# Altium PCB 2022_July.PcbDoc (part 1 of 2)
Units mil, origin at the board's own origin, x right, y up, seen from the top; angles counter-clockwise.
Board outline 3945 x 3530 mil, 3 copper layers (Top Layer, Mid-Layer 1, Bottom Layer); 114 components, 0 nets, 397 pads, 105 vias.
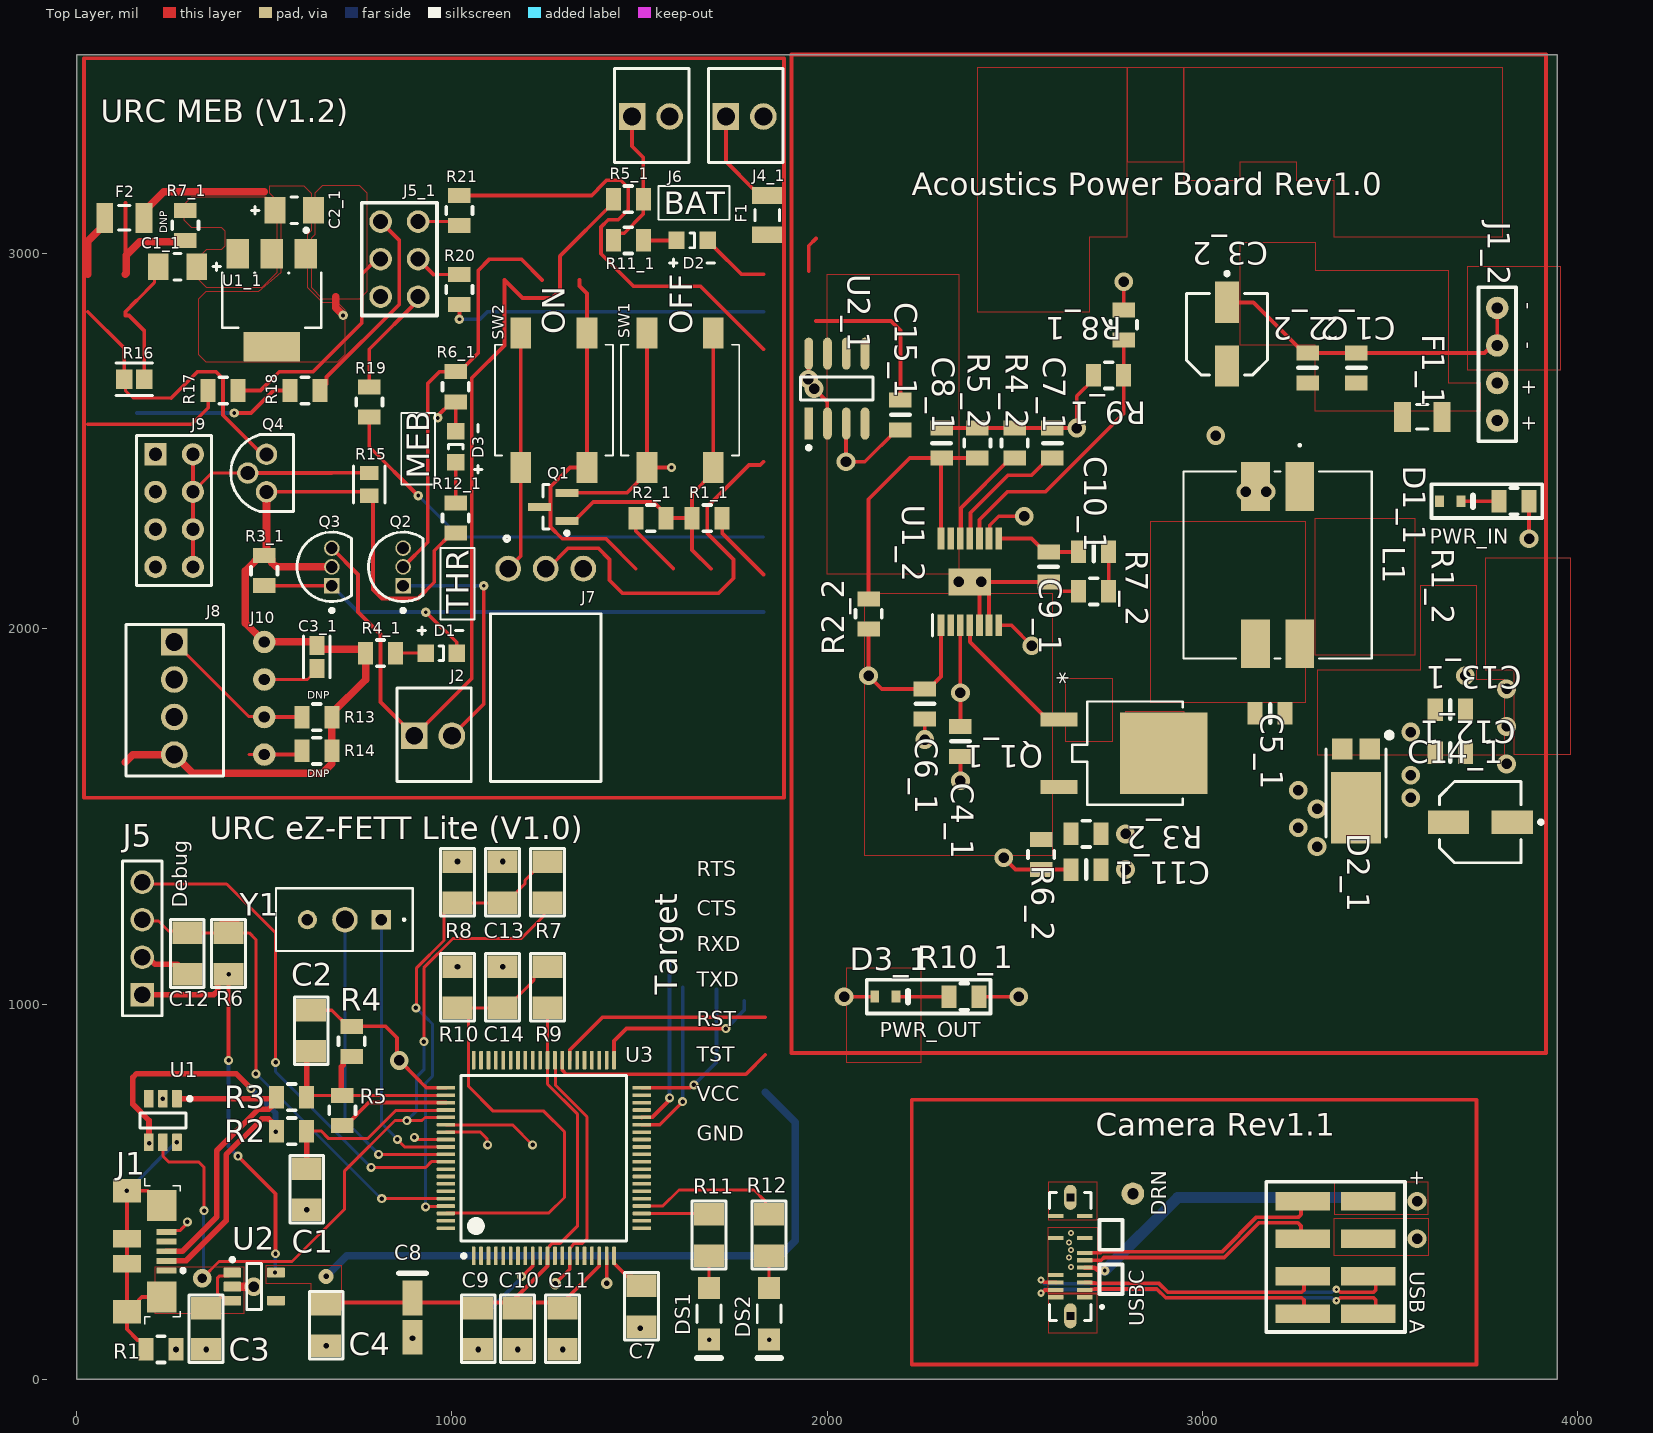
[diagram p0: Top Layer view]
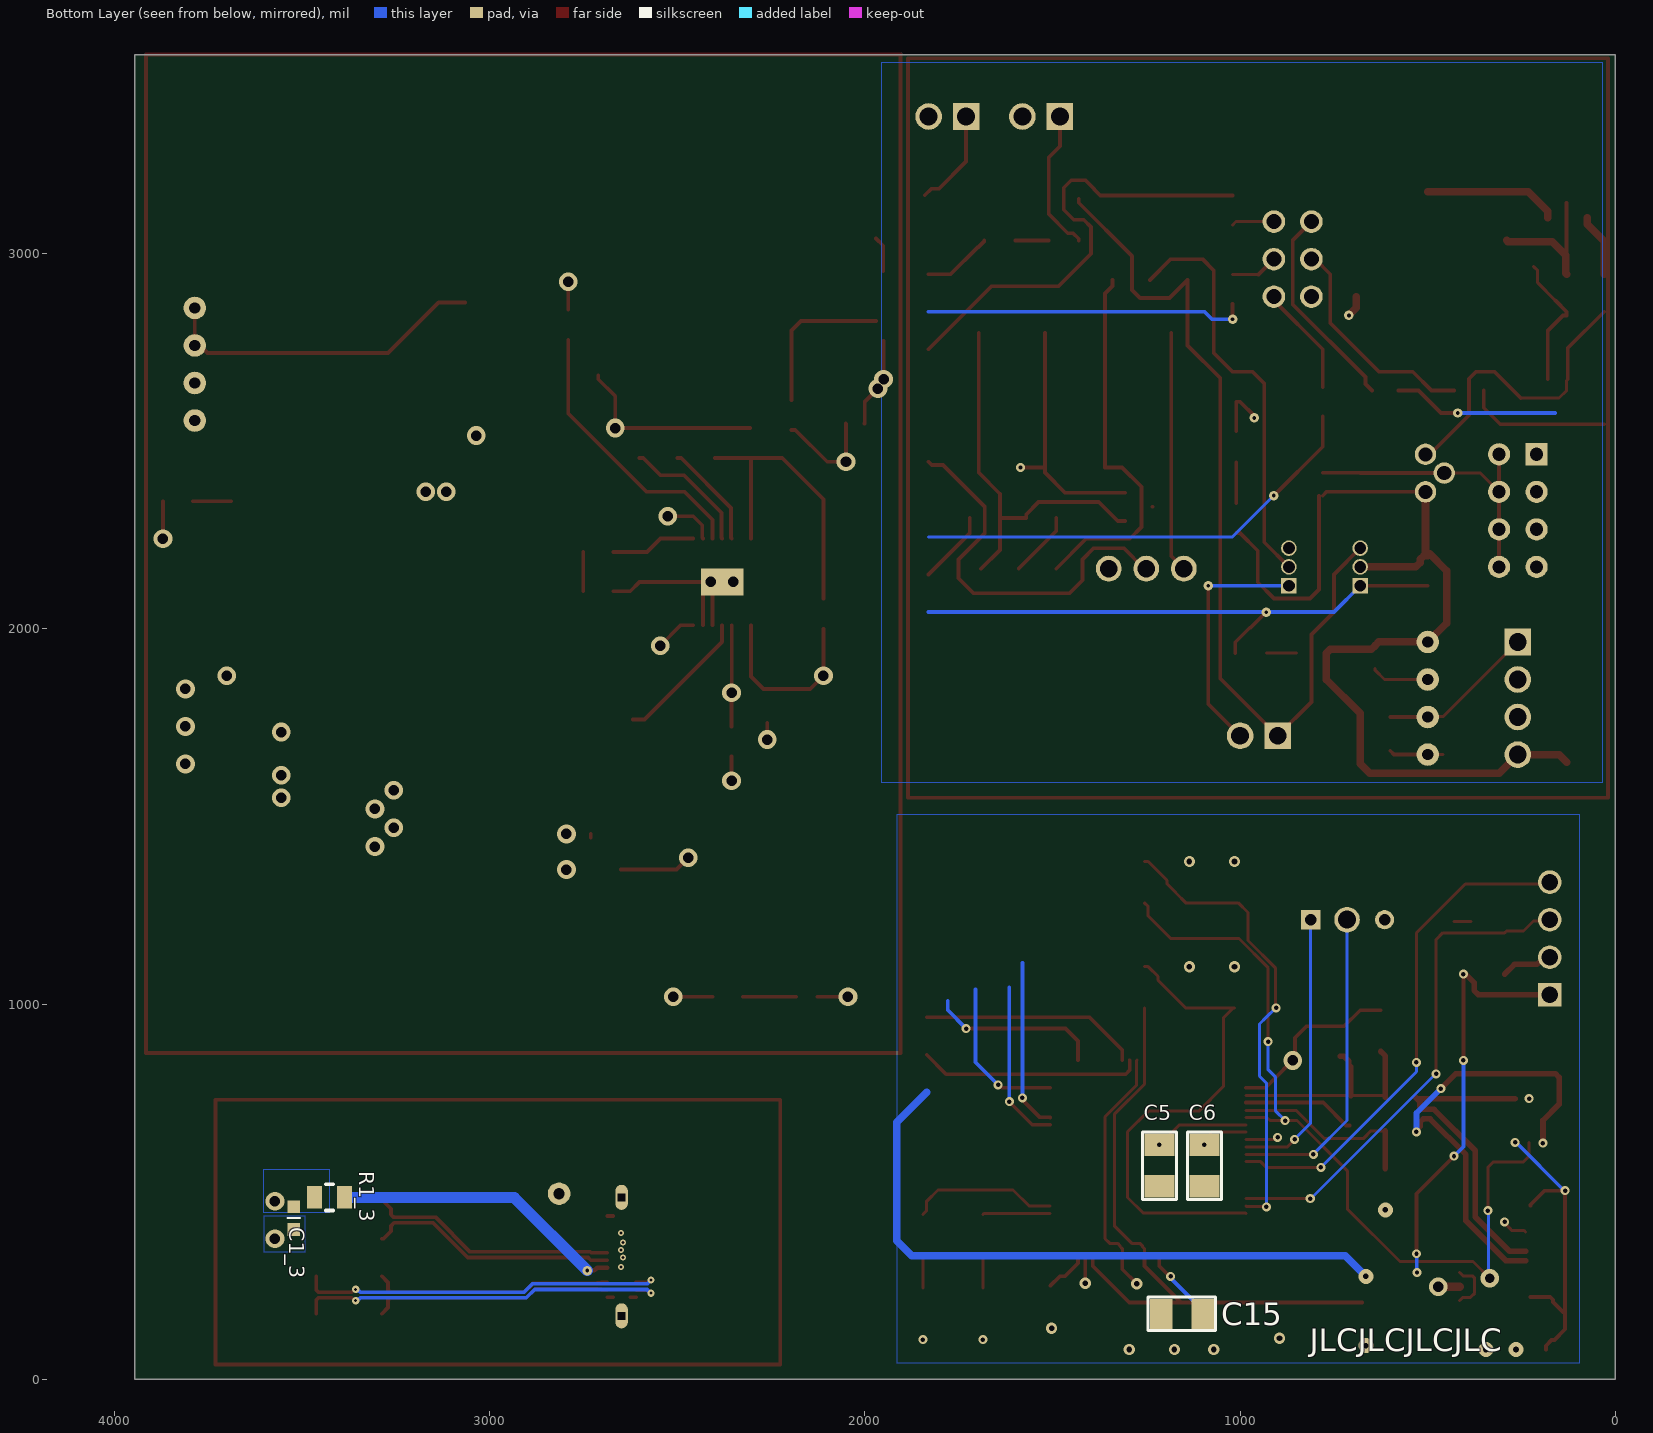
[diagram p1: Bottom Layer view, seen from below]
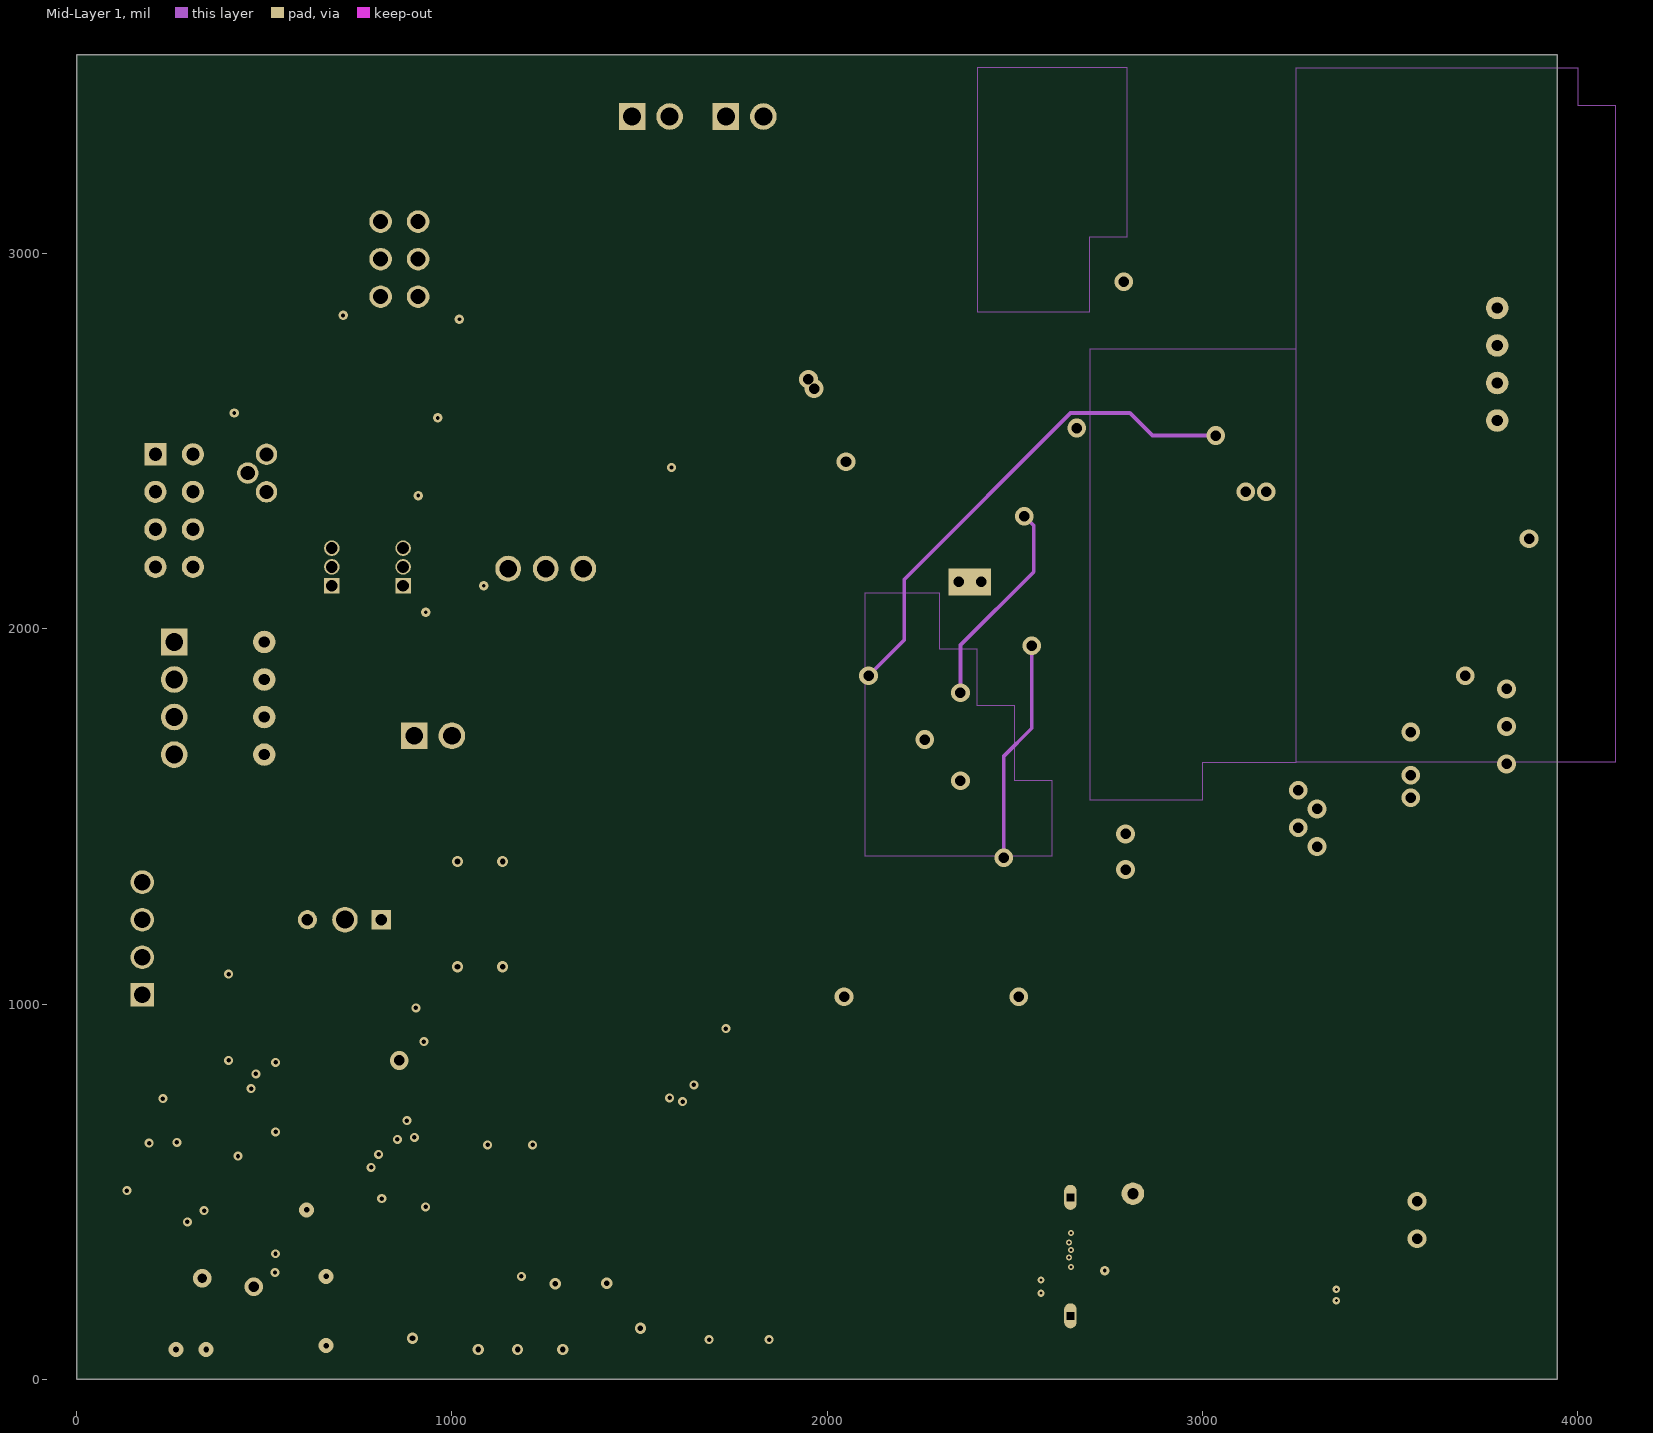
[diagram p2: Mid-Layer 1]

## Layer stack, top to bottom
Top Solder: solder mask 0.4, Solder Resist, Dk 3.5
Top Layer: signal copper 1.4
Dielectric 1: dielectric 12.6, FR-4, Dk 4.8
Mid-Layer 1: signal copper 1.4
Dielectric2: dielectric 12.6, FR-4, Dk 4.8
Bottom Layer: signal copper 1.4
Bottom Solder: solder mask 0.4, Solder Resist, Dk 3.5

## Board outline
0,0 3945,0 3945,3530 0,3530

## Design rules (kind name [scope] priority, off if disabled: settings)
Clearance [All] p1: gap=10 ignorepadtopadclearanceinfootprint=FALSE except(0: Arc-Hole Track-Hole SMDPad-Hole THPad-Hole Via-Hole Fill-Hole Poly-Hole Region-Hole Text-Hole)
PolygonConnect [All] p1: connectstyle=Relief reliefconductorwidth=10 reliefentries=4 polygonreliefangle="90 Angle" airgapwidth=10
RoutingVias [All] p1: holewidth=28 width=50 viastyle="Through Hole" minholewidth=28 minwidth=50 maxholewidth=28 maxwidth=50
SolderMaskExpansion [All] p1: expansion=4 istentingtop=FALSE
Width [All] p1: maxlimit=10 minlimit=10 preferedwidth=10
30 further rules are at their usual default settings.

## Components (designator, comment, footprint, x,y, rotation, side; value= is the part's Value field where it differs from the comment)
C1 "10pF" SMD-1206C 613,507 r0 top
C1_1 "10uF" FP-TAJA-MFG 268.82,2965 r0 top (schematic designator C1)
C1_2 "10µF" SMD-0805C 3410,2695 r180 top (schematic designator C1)
C1_3 "1000pF" SMD-0603C 3521.42,430.04 r180 bottom (schematic designator C1)
C2 "10pF" SMD-1206C 625,929 r180 top
C2_1 "10uF" FP-TAJA-MFG 580,3115 r180 top (schematic designator C2)
C2_2 "10µF" SMD-0805C 3280,2695 r180 top (schematic designator C2)
C3 "0.10µF" SMD-1206C 345,135 r0 top
C3_1 "1uF" FP-0603-L_1_6_0_1-W_0_8_0-IPC_A 640,1925 r270 top (schematic designator C3)
C3_2 "EEE1VA100SR" FP-SC-MFG 3065,2785 r270 top (schematic designator C3)
C4 "0.10µF" SMD-1206C 665,145 r0 top
C4_1 "1µF" SMD-0805C 2355,1700 r0 top (schematic designator C4)
C5 "0.22µF" SMD-1206C 1215,570 r180 bottom
C5_1 "3.3µF" SMD-0805C 3180,1775 r90 top (schematic designator C5)
C6 "0.22µF" SMD-1206C 1095,570 r180 bottom
C6_1 "0.10µF" SMD-0805C 2260,1800 r0 top (schematic designator C6)
C7 "0.47µF" SMD-1206C 1505,195 r0 top
C7_1 "1µF" SMD-0805C 2600,2495 r180 top (schematic designator C7)
C8 "T491A106K010AT" KEMT-A-3216-18-2_M 895,165 r270 top
C8_1 "100pF" SMD-0805C 2305,2495 r180 top (schematic designator C8)
C9 "0.10µF" SMD-1206C 1070,135 r0 top
C9_1 "390pF" SMD-0805C 2590,2165 r0 top (schematic designator C9)
C10 "0.10µF" SMD-1206C 1175,135 r0 top
C10_1 "820pF" SMD-0805C 2710,2205 r90 top (schematic designator C10)
C11 "0.10µF" SMD-1206C 1295,135 r0 top
C11_1 "100pF" SMD-0805C 2690,1358.57 r90 top (schematic designator C11)
C12 "1000pF" SMD-1206C 295,1135 r0 top
C12_1 "4.7µF" SMD-0805C 3660,1670 r90 top (schematic designator C12)
C13 "33pF" SMD-1206C 1135,1325 r180 top
C13_1 "4.7µF" SMD-0805C 3660,1785 r90 top (schematic designator C13)
C14 "33pF" SMD-1206C 1135,1045 r180 top
C14_1 "EEE1VA100SR" FP-SC-MFG 3740,1485 r180 top (schematic designator C14)
C15 "0.10µF" SMD-1206C 1155,175 r270 bottom
C15_1 "0.10µF" SMD-0805C 2195,2570 r0 top (schematic designator C15)
D1 "1.9V" 0805_A 971.34,1935 r180 top
D1_1 "TLMS1100-GS08" VISH-TLMX1100_V 3660,2340 r0 top value=1.9V (schematic designator D1)
D2 "3.2V" 0805_A 1640,3035 r180 top
D2_1 "PDS560-13" POWERDI5 3408.78,1523.23 r180 top (schematic designator D2)
D3 "3.2V" 0805_A 1010,2485 r270 top
D3_1 "TLMS1100-GS08" VISH-TLMX1100_V 2155,1020 r0 top value=1.9V (schematic designator D3)
DS1 "HSMH-C150" AVAG-HSMX-C150_V 1685,175 r270 top
DS2 "HSMG-C150" AVAG-HSMX-C150_V 1845,175 r270 top
F1 "0466002.NRHF" FP-0466-MFG 1840,3102.5 r90 top value=2A
F1_1 "0466002.NR" FP-0466-MFG 3585,2565 r180 top value=0.03Ω (schematic designator F1)
F2 "0466001.NR" FP-0466-MFG 127.5,3095 r180 top value=1A
J1 "ZX62R-B-5P" HIRO-ZX62R-B-5P_V 186.66,341.54 r270 top
J1_2 "1x4 Header" "1X4 HEADER" 3585,2655 r270 top (schematic designator J1)
J2 "171856-0002" SHDR2W99P0X254_1X2_493X635X818P 900,1715 r0 top value=1x2
J4_1 "171856-0002" SHDR2W99P0X254_1X2_493X635X818P 1730,3365 r0 top value=1x2 (schematic designator J4)
J5 "61300411121" 61300411121 175,1175 r90 top
J5_1 "Header" "2x3 Header" 860,2985 r90 top value=2x3 (schematic designator J5)
J6 "171856-0002" SHDR2W99P0X254_1X2_493X635X818P 1480,3365 r0 top value=1x2
J7 "171857-0003" 171857-0003 1250,1915 r180 top value=1x3
J8 "171856-0004" SHDR4W99P0X254_1X4_1001X635X1105P 260,1965 r270 top value=1x4
J9 "TLW-104-05-T-D" HDR2X4 210,2465 r270 top value=2x4
J10 "1x4 Header" "1X4 HEADER" 300,1765 r270 top value=1x4
L1 "DRQ125-3R3-R" DRQ125 3200,2170 r270 top
Q1 "2.1V" NDS351AN 1270,2325 r180 top
Q1_1 "NTD250N65S3H" TO252_NTD250_ONS 2820,1668.57 r270 top (schematic designator Q1)
Q2 "2N7000" ONSC-TO-92-3-29-11 870,2165 r90 top value=1V
Q3 "2N7000" ONSC-TO-92-3-29-11 680,2165 r90 top value=1V
Q4 "TP2104N3-G" FP-TP2104N3-G-MFG 495,2415 r180 top value=20V
R1 "33" SMD-0805-RES 225,80 r270 top
R1_1 "100" SMD-0805-RES 1680,2295 r90 top (schematic designator R1)
R1_2 "787" SMD-0805-RES 3830,2340 r90 top (schematic designator R1)
R1_3 "56k" SMD-0805-RES 3426.42,485.04 r90 bottom (schematic designator R1)
R2 "27" SMD-0805-RES 573,662 r90 top
R2_1 "10k" SMD-0805-RES 1530,2295 r90 top (schematic designator R2)
R2_2 "143k" SMD-0805-RES 2110,2040 r0 top (schematic designator R2)
R3 "27" SMD-0805-RES 573,752 r90 top
R3_1 "100k" SMD-0805-RES 500,2155 r180 top (schematic designator R3)
R3_2 "0.03" SMD-0805-RES 2690,1453.57 r90 top (schematic designator R3)
R4 "1M" SMD-0805-RES 733,901 r0 top
R4_1 "140" SMD-0805-RES 810,1935 r270 top (schematic designator R4)
R4_2 "10.5k" SMD-0805-RES 2499,2495 r0 top (schematic designator R4)
R5 "1.4k" SMD-0805-RES 708,717 r0 top
R5_1 "100k" SMD-0805-RES 1470,3145 r90 top (schematic designator R5)
R5_2 "36k" SMD-0805-RES 2400,2495 r0 top (schematic designator R5)
R6 "47k" SMD-1206-RES 405,1135 r0 top
R6_1 "100k" SMD-0805-RES 1010,2645 r180 top (schematic designator R6)
R6_2 "100" SMD-0805-RES 2570,1398.57 r180 top (schematic designator R6)
R7 "240k" SMD-1206-RES 1255,1325 r0 top
R7_1 "DNP" SMD-0805-RES 290,3075 r180 top value=0.0 (schematic designator R7)
R7_2 "44.2k" SMD-0805-RES 2710,2100 r90 top (schematic designator R7)
R8 "150k" SMD-1206-RES 1015,1325 r0 top
R8_1 "42.2k" SMD-0805-RES 2790,2810 r180 top (schematic designator R8)
R9 "220k" SMD-1206-RES 1255,1045 r0 top
R9_1 "4.7k" SMD-0805-RES 2750,2675 r90 top (schematic designator R9)
R10 "220k" SMD-1206-RES 1015,1045 r0 top
R10_1 "392" SMD-0805-RES 2365,1020 r90 top (schematic designator R10)
R11 "470" SMD-1206-RES 1685,385 r0 top
R11_1 "1.3k" SMD-0805-RES 1470,3035 r270 top (schematic designator R11)
R12 "390" SMD-1206-RES 1845,385 r0 top
R12_1 "10" SMD-0805-RES 1010,2295 r0 top (schematic designator R12)
R13 "4.7k" SMD-0805-RES 640,1765 r270 top
R14 "4.7k" SMD-0805-RES 640,1675 r270 top
R15 "1M" FP-RMCF0805-IPC_C 780,2385 r270 top
R16 "10k" FP-RNCP0805-IPC_C 153.37,2665 r180 top
R17 "47" SMD-0805-RES 390.63,2635 r90 top
R18 "47" SMD-0805-RES 608.74,2635 r90 top
R19 "47" SMD-0805-RES 780,2604.37 r180 top
R20 "47" SMD-0805-RES 1020,2904.37 r180 top
R21 "47" SMD-0805-RES 1020,3114.37 r0 top
SW1 "FSM2JSMA" FSM2JSMA 1608.19,2609.13 r180 top value=24V
SW2 "FSM2JSMA" FSM2JSMA 1271.81,2609.13 r180 top value=24V
U1 "TPD4E001DBVR" DBV0006A_M 230,690 r270 top
U1_1 "NCP1117LPST33T3G" FP-318H-MFG 520,2875 r270 top value=1A (schematic designator U1)
U1_2 "LM5156HPWPR" SOP65P640X120-15N 2380,2125 r90 top (schematic designator U1)
U2 "TLV70033DDCR" DDC0005A_M 473.07,247.6 r0 top
U2_1 "TLE2426CDR" FP-D0008A-IPC_B 2025.66,2640 r90 top (schematic designator U2)
U3 "MSP430F5529IPN" PN0080A_L 1245,590 r90 top
"USB A" "Molex 0015910080" "Molex 0015910080" 3169.31,526.52 r270 top
USBC "USB4151-GF-C_REVA_NOLEGS_MISSINGPINS" GCT_USB4151-GF-C_REVA_NOLEGS_MISSINGPINS 2647.8,327.44 r270 top
Y1 "CSTLS4M00G56-A0" CSTLS_G 615,1225 r180 top value=Value

## Footprints (in the part's own frame and the unit in brackets; to place one, negate y for a bottom-side part, rotate by r counter-clockwise, add the part's x,y. Pads: shape width x height; smd on the part's side, far side on the other; paste and mask are expansions set on the pad)
"1X4 HEADER" [mil]
  round 60 hole 30: 1(-200,200) 2(-100,200) 3(0,200) 4(100,200)
"2x3 Header" [mil]
  round 60 hole 40: 1(-100,-50) 2(-100,50) 3(0,-50) 4(0,50) 5(100,-50) 6(100,50)
  silkscreen extent -150,-100 150,100, body extent -150,-100 150,100, height 374
0805_A [mm] "Chip LED, 2-Leads, Body 2.0x1.3mm, IPC Medium Density"
  rect 1.1x1.2 smd: 1(-1.05,0) 2(1.05,0)
  silkscreen extent -0.15,-0.5 0.15,0.5, body extent -1,-0.62 1,0.63, height 0.68
171857-0003 [mm]
  round 1.75 hole 1.19: 1(2.54,-6.23) 2(0,-6.23) 3(-2.54,-6.23)
  silkscreen extent -3.74,-8.43 3.74,8.18
61300411121 [mm] "Pin Header, pitch 2.54 mm, THT, Vertical, single row, 4p"
  rect 1.6x1.6 hole 1.1: 1(-3.81,0)
  round 1.6 hole 1.1: 2(-1.27,0) 3(1.27,0) 4(3.81,0)
  silkscreen extent -5.23,-1.35 5.23,1.35, body extent -5.08,-1.27 5.08,1.27, height 8.57
AVAG-HSMX-C150_V [mm] "SMD, 2-Leads, Body 3.2x1.6mm"
  rect 1.5x1.5 smd: 1(-1.75,0) 2(1.75,0)
  silkscreen extent -0.6,-0.8 3,0.8, body extent -1.6,-0.8 1.6,0.8, height 1.1
CSTLS_G [mil]
  rect 51x51 hole 31 mask+0: 1(-196.85,0)
  round 51 hole 31 mask+0: 2(0,0)
  round 68 hole 48: 3(-100,0)
  silkscreen extent -280,-84 84,84, body extent 0,0 10,10, height 10
DBV0006A_M [mm] "SOT23, 6-Leads, Body 3.05x1.75mm, Pitch 0.95mm, IPC Low Density"
  rrect15% 1.2x0.65 smd: 1(-1.475,0.95) 2(-1.475,0) 3(-1.475,-0.95) 4(1.475,-0.95) 5(1.475,0) 6(1.475,0.95)
  silkscreen extent -1.6,-1.55 0.5,1.95, body extent -1.42,-1.46 1.42,1.46, height 1.11
DDC0005A_M [mm] "SOT23, 5-Leads, Body 3.05x1.75mm, Pitch 0.95mm, IPC Low Density"
  rrect15% 1.2x0.65 smd: 1(-1.475,0.95) 2(-1.475,0) 3(-1.475,-0.95) 4(1.475,-0.95) 5(1.475,0.95)
  silkscreen extent -1.6,-1.55 0.5,1.95, body extent -0.88,-1.52 0.87,1.53, height 1.1
DRQ125 [mil]
  rect 130x77 smd paste+0 mask+0: 1(-209.5,59.06) 2(-209.5,-59.06) 3(209.5,-59.06) 4(209.5,59.06)
  silkscreen extent -322,-251 249,251, body extent -244,-246 244,246, height 236
FP-318H-MFG [mm]
  rect 2x1.5 smd paste+0 mask+0: 1(-3.15,2.3) 2(-3.15,0) 3(-3.15,-2.3)
  rect 2x3.8 smd paste+0 mask+0: 4(3.15,0)
  silkscreen extent -4.87,-3.35 1.85,3.35, body extent -4.25,-3.68 4.25,3.68, height 0.25
FP-0466-MFG [mil]
  rect 45x80 smd paste+0 mask+0: 1(-52.5,0) 2(52.5,0)
  silkscreen extent -15,-32 15,32, body extent -79,-44 79,44, height 10
FP-0603-L_1_6_0_1-W_0_8_0-IPC_A [mil]
  rect 49.52x39.85 smd paste+0 mask+0: 1(-30.6,0) 2(30.6,0)
  silkscreen extent -55,-36 55,36, body extent -75,-40 75,40, height 10
FP-D0008A-IPC_B [mil]
  rect 85.4x22.92 smd paste+0 mask+0: 1(-93.06,75)
  rrect100% 85.4x22.92 smd paste+0 mask+0: 2(-93.06,25) 3(-93.06,-25) 4(-93.06,-75) 5(93.06,-75) 6(93.06,-25) 7(93.06,25) 8(93.06,75)
  silkscreen extent -162,-97 31,97, body extent -146,-106 146,106, height 10
FP-RMCF0805-IPC_C [mil]
  rect 37.58x49.69 smd paste+0 mask+0: 1(-30.54,0) 2(30.54,0)
  silkscreen extent -49,-42 49,42, body extent -53,-31 53,31, height 10
FP-RNCP0805-IPC_C [mil]
  rect 43.52x51.5 smd paste+0 mask+0: 1(-26.63,0) 2(26.63,0)
  silkscreen extent -48,-43 48,43, body extent -52,-31 52,31, height 10
FP-SC-MFG [mm]
  rect 2.8x1.6 smd paste+0 mask+0: 1(-2.15,0) 2(2.15,0)
  silkscreen extent -4.22,-2.75 2.75,2.75, body extent -3.8,-3 3.8,3, height 0.25
FP-TAJA-MFG [mm]
  rect 1.4x1.8 smd paste+0 mask+0: 1(-1.3,0) 2(1.3,0)
  silkscreen extent -0.23,-0.9 2.9,0.9, body extent -2.1,-1 2.1,1, height 0.25
FP-TP2104N3-G-MFG [mm]
  round 1.45 hole 0.95 paste-1000 mask+0: 1(-0.279,1.27) 2(0.991,0) 3(-0.279,-1.27)
  silkscreen extent -2.1,-2.6 2.14,2.6, body extent -2.2,-2.7 2.2,2.7, height 0.25
FSM2JSMA [mm] "SPST OFF-MOM Switch"
  rect 1.4x2.1 smd: 1(2.24,4.55) 2(2.24,-4.55) 3(-2.24,4.55) 4(-2.24,-4.55)
  silkscreen extent -4,-3.75 4,3.75, body extent -3,-5 3,5, height 4.28
GCT_USB4151-GF-C_REVA_NOLEGS_MISSINGPINS [mm] "Has no mounting legs (long sides) and also has unused pins removed (for camera PCB)"
  rect 0.28x1.05 smd: A1(2.75,0.975) A2(2.25,0.975) A3(1.75,0.975) A4(1.25,0.975) A5(0.75,0.975) A6(0.25,0.975) A7(-0.25,0.975) A9(-1.25,0.975) A12(-2.75,0.975) B1(-2.75,-0.975) B4(-1.25,-0.975) B9(1.25,-0.975) B10(1.75,-0.975) B11(2.25,-0.975) B12(2.75,-0.975)
  oval 1.7x0.85 hole 0.5 square: S1(-4.01,0) S4(4.01,0)
  silkscreen extent -4.33,-1.4 4.33,2.24, body extent -4.33,-2.88 4.33,2.88, height 11.1
HDR2X4 [mm] "Connector; Header; 4x2 Position"
  rect 1.5x1.5 hole 0.9: 1(0,0)
  round 1.5 hole 0.9: 2(0,2.54) 3(2.54,0) 4(2.54,2.54) 5(5.08,0) 6(5.08,2.54) 7(7.62,0) 8(7.62,2.54)
  silkscreen extent -1.27,-1.27 8.89,3.81
HIRO-ZX62R-B-5P_V [mm] "USB Micro-B R/A Connector"
  rect 0.4x1.35 smd: 1(1.3,1.338) 2(0.65,1.338) 3(0,1.338) 4(-0.65,1.338) 5(-1.3,1.338)
  rect 2.1x2 smd: 6(-3.1,1.012) 11(3.1,1.012)
  rect 1.6x1.9 smd: 7(-4.1,-1.338) 10(4.1,-1.338)
  rect 1.2x1.9 smd: 8(-0.85,-1.338) 9(0.85,-1.338)
  silkscreen extent -4.95,-0.13 4.95,2.58, body extent -4.4,-3.95 4.4,1.78, height 2.71
KEMT-A-3216-18-2_M [mm] "Molded TAN Capacitor, 2-Leads, Body 3.4x1.8mm, IPC Low Density"
  rect 2.35x1.35 smd: 1(-1.325,0) 2(1.325,0)
  silkscreen extent -3,-0.9 -3,0.9, body extent -1.7,-0.9 1.7,0.9, height 1.8
"Molex 0015910080" [mm]
  rect 1.27x3.68 smd: 1(1.308,6.912) 2(3.848,6.912) 3(6.388,6.912) 4(8.928,6.912) 5(1.308,2.472) 6(3.848,2.472) 7(6.388,2.472) 8(8.928,2.472)
  silkscreen extent 0,0.01 10.16,9.4, body extent 0,1.14 10.16,8.13, height 9.68
NDS351AN [mm] "SOT23, 3-Leads, Body 3.0x2.6mm (max), Pitch 0.95mm, IPC Medium Density"
  rect 1.55x0.55 smd: D(0.925,0) G(-0.925,0.95) S(-0.925,-0.95)
  silkscreen extent -1.05,-1.5 0.7,1.9, body extent -0.7,-1.5 0.7,1.5, height 1.1
ONSC-TO-92-3-29-11 [mm] "TO, 3-Leads, Body Dia 4.7mm, Pitch 1.27mm"
  rect 1.05x1.05 hole 0.8: 1(-1.27,0)
  round 1.05 hole 0.8: 2(0,0) 3(1.27,0)
  silkscreen extent -3.07,-1.34 2.35,2.35, body extent -2.35,-1.33 2.36,2.36, height 7.87
PN0080A_L [mm] "QFP, 80-Leads, Body 12x12mm, Pitch 0.5mm, IPC High Density"
  rrect40% 1.25x0.25 smd: 1(-6.625,4.75) 2(-6.625,4.25) 3(-6.625,3.75) 4(-6.625,3.25) 5(-6.625,2.75) 6(-6.625,2.25) 7(-6.625,1.75) 8(-6.625,1.25) 9(-6.625,0.75) 10(-6.625,0.25) 11(-6.625,-0.25) 12(-6.625,-0.75) 13(-6.625,-1.25) 14(-6.625,-1.75) 15(-6.625,-2.25) 16(-6.625,-2.75) 17(-6.625,-3.25) 18(-6.625,-3.75) 19(-6.625,-4.25) 20(-6.625,-4.75) 41(6.625,-4.75) 42(6.625,-4.25) 43(6.625,-3.75) 44(6.625,-3.25) 45(6.625,-2.75) 46(6.625,-2.25) 47(6.625,-1.75) 48(6.625,-1.25) 49(6.625,-0.75) 50(6.625,-0.25) 51(6.625,0.25) 52(6.625,0.75) 53(6.625,1.25) 54(6.625,1.75) 55(6.625,2.25) 56(6.625,2.75) 57(6.625,3.25) 58(6.625,3.75) 59(6.625,4.25) 60(6.625,4.75)
  rrect40% 0.25x1.25 smd: 21(-4.75,-6.625) 22(-4.25,-6.625) 23(-3.75,-6.625) 24(-3.25,-6.625) 25(-2.75,-6.625) 26(-2.25,-6.625) 27(-1.75,-6.625) 28(-1.25,-6.625) 29(-0.75,-6.625) 30(-0.25,-6.625) 31(0.25,-6.625) 32(0.75,-6.625) 33(1.25,-6.625) 34(1.75,-6.625) 35(2.25,-6.625) 36(2.75,-6.625) 37(3.25,-6.625) 38(3.75,-6.625) 39(4.25,-6.625) 40(4.75,-6.625) 61(4.75,6.625) 62(4.25,6.625) 63(3.75,6.625) 64(3.25,6.625) 65(2.75,6.625) 66(2.25,6.625) 67(1.75,6.625) 68(1.25,6.625) 69(0.75,6.625) 70(0.25,6.625) 71(-0.25,6.625) 72(-0.75,6.625) 73(-1.25,6.625) 74(-1.75,6.625) 75(-2.25,6.625) 76(-2.75,6.625) 77(-3.25,6.625) 78(-3.75,6.625) 79(-4.25,6.625) 80(-4.75,6.625)
  silkscreen extent -6.75,-5.6 5.6,5.6, body extent -7,-7 7,7, height 1.56
POWERDI5 [mm]
  rect 1.39x1.4 smd: 1(-0.92,-3.982) 2(0.92,-3.982)
  rect 3.36x4.86 smd: 3(0,0)
  silkscreen extent -2.41,-5.08 2.02,1.98, body extent -2.06,-4.54 1.84,1.86, height 1.05
SHDR2W99P0X254_1X2_493X635X818P [mm]
  rect 1.8x1.8 hole 1.2: 1(0,0)
  round 1.8 hole 1.2: 2(2.54,0)
  silkscreen extent -1.19,-3.1 3.85,3.25, body extent -1.19,-3.17 3.73,3.17, height 8.18
SHDR4W99P0X254_1X4_1001X635X1105P [mm]
  rect 1.8x1.8 hole 1.2: 1(0,0)
  round 1.8 hole 1.2: 2(2.54,0) 3(5.08,0) 4(7.62,0)
  silkscreen extent -1.19,-3.25 9.07,3.35, body extent -1.19,-3.18 8.81,3.18, height 11.05
SMD-0603C [mm]
  rect 0.85x0.85 smd: 1(0,0.775) 2(0,-0.775)
  silkscreen extent -0.4,0 0.4,0, body extent -0.4,-0.8 0.4,0.8, height 0.9
SMD-0805-RES [mil]
  rect 60x40 smd: 1(0,40) 2(0,-40)
  silkscreen extent -35,-10 35,10, body extent -24,-39 26,39, height 31
SMD-0805C [mil]
  rect 60x40 smd: 1(0,40) 2(0,-40)
  silkscreen extent -25,0 25,0, body extent -25,-39 25,39, height 35
SMD-1206-RES [mil]
  rect 80x60 smd: 1(0,55) 2(0,-55)
  silkscreen extent -45,-90 45,90, body extent -34,-66 34,66, height 33
SMD-1206C [mil]
  rect 80x60 smd: 1(0,55) 2(0,-55)
  silkscreen extent -45,-90 45,90, body extent -31,-63 32,63, height 39
SOP65P640X120-15N [mm]
  rect 1.475x0.45 smd: 1(-2.938,1.95) 2(-2.938,1.3) 3(-2.938,0.65) 4(-2.938,0) 5(-2.938,-0.65) 6(-2.938,-1.3) 7(-2.938,-1.95) 8(2.938,-1.95) 9(2.938,-1.3) 10(2.938,-0.65) 11(2.938,0) 12(2.938,0.65) 13(2.938,1.3) 14(2.938,1.95)
  rect 1.82x2.86 all layers, no hole: 15(0,0)
  silkscreen extent -3.67,2.52 -2.2,2.52, body extent -3.2,-2.5 3.2,2.5, height 1.2
TO252_NTD250_ONS [mil]
  rect 37x98 smd paste+0 mask+0: 1(-89.96,-202.5) 3(89.96,-202.5)
  rect 217x233 smd paste+0 mask+0: 2(0,77)
  silkscreen extent -138,-168 138,128, body extent -133,-238 133,173, height 94
VISH-TLMX1100_V [mm] "SMD, 2-Leads, Body 1.6x0.8mm"
  rect 0.6x0.8 smd: 1(-0.725,0) 2(0.725,0)
  silkscreen extent 1.53,-0.4 1.53,0.4, body extent -0.8,-0.4 0.8,0.4, height 0.65

## Part data
C1 C2: library part GCM31A7U2J100JX01D, "CAP CER 10PF 630V U2J 1206", Digi-Key Part Number=490-5037-1-ND, Manufacturer="Murata Electronics North America", Operating Temperature="-55°C ~ 125°C", Package / Case="1206 (3216 Metric)", Ratings=AEC-Q200, Temperature Coefficient=U2J, Tolerance=±5%, Voltage=630V, @ qty=0, Applications=Automotive, Datasheets=http://www.murata.com/~/media/webrenewal/support/library/catalog/products/capacitor/mlcc/c03e.ashx, Factory Stock=0, Features=-, Height - Seated (Max)=-, Image=//media.digikey.com/Renders/Murata%20Renders/GR331BD72E473KW01L.jpg, Lead Spacing=-, Lead Style=-, Minimum Quantity=1, Mounting Type="Surface Mount, MLCC", Packaging="Cut Tape (CT)", Part Number=GCM31A7U2J100JX01D, Part Status=Active, Quantity Available=4301, Series=GCM, Size / Dimension="0.126\" L x 0.063\" W (3.20mm x 1.60mm)", Thickness (Max)="0.039\" (1.00mm)", Unit Price (USD)=0.52
C1_1 C2_1: library part CMP-1661-00004-2, "CAP TANT 10UF 10% 16V 1206", Case Code (Imperial)=1206, Case Code (Metric)=3216, Dielectric Material=Tantalum, ESR (Equivalent Series Resistance)=3R, Leakage Current=1.6uA, Manufacturer="KYOCERA AVX", Manufacturer Part Number=TAJA106K016RNJ, Max Operating Temperature=125°C, Min Operating Temperature=-55°C, Package Quantity=1, Tolerance=10%, Voltage=16V, Capacitance=10uF, Case/Package=1206, Depth=1.6mm, Dissipation Factor=8%, Features="General Purpose", Height=1.6mm, Height - Seated (Max)=0.071inch, Lead Free="Lead Free", Lead Pitch=1.1mm, Length=3.2mm, Mount="Surface Mount", Number of Pins=2, Packaging="Tape and Reel", Polarity=Polar, Radiation Hardening=No, REACH SVHC="No SVHC", Termination=SMD/SMT, Voltage Rating=16V, Voltage Rating (DC)=16V, Width=1.6mm
C1_2 C2_2: library part GRM219R61E106KA12D, "CAP CER 10UF 25V X5R 0805", Digi-Key Part Number=490-7207-1-ND, Manufacturer="Murata Electronics North America", Operating Temperature="-55°C ~ 85°C", Package / Case="0805 (2012 Metric)", Ratings=-, Temperature Coefficient=X5R, Tolerance=±10%, Voltage=25V, @ qty=0, Applications="General Purpose", Datasheets=http://www.murata.com/~/media/webrenewal/support/library/catalog/products/capacitor/mlcc/c02e.pdf, Factory Stock=0, Features="Derating Recommended", Height - Seated (Max)=-, Image=//media.digikey.com/Renders/Murata%20Renders/0805%20(2012%20Metric)%20.85mm.jpg, Lead Spacing=-, Lead Style=-, Minimum Quantity=1, Mounting Type="Surface Mount, MLCC", Packaging="Cut Tape (CT)", Part Number=GRM219R61E106KA12D, Part Status=Active, Quantity Available=109571, Series=GRM, Size / Dimension="0.079\" L x 0.049\" W (2.01mm x 1.25mm)", Thickness (Max)="0.037\" (0.95mm)", Unit Price (USD)=0.24
C1_3: library part GRM188R71C102KA01D, "Capacitor used for bypass between GND and VBUS", Digi-Key Part Number=490-11509-1-ND, Manufacturer="Murata Electronics North America", Operating Temperature="-55°C ~ 125°C", Tolerance=±10%, Datasheets=http://www.murata.com/~/media/webrenewal/support/library/catalog/products/capacitor/mlcc/c02e.pdf, Manufacturer Part Number=GRM188R71C102KA01D, Quantity Available=39666, Size / Dimension="0.063\" L x 0.031\" W (1.60mm x 0.80mm)", Total Price (USD)=0.2, Total Quantity=2, Unit Price (USD)=0.1
C3 C4 C9 C10 C11: library part GCM319R71H104KA37D, "CAP CER 0.1UF 50V X7R 1206", Digi-Key Part Number=490-11166-1-ND, Manufacturer="Murata Electronics North America", Operating Temperature="-55°C ~ 125°C", Package / Case="1206 (3216 Metric)", Ratings=AEC-Q200, Temperature Coefficient=X7R, Tolerance=±10%, Voltage=50V, @ qty=0, Applications=Automotive, Datasheets=http://www.murata.com/~/media/webrenewal/support/library/catalog/products/capacitor/mlcc/c03e.ashx, Factory Stock=0, Features=-, Height - Seated (Max)=-, Image=//media.digikey.com/Renders/Murata%20Renders/GR331BD72E473KW01L.jpg, Lead Spacing=-, Lead Style=-, Minimum Quantity=1, Mounting Type="Surface Mount, MLCC", Packaging="Cut Tape (CT)", Part Number=GCM319R71H104KA37D, Part Status=Active, Quantity Available=5066, Series=GCM, Size / Dimension="0.126\" L x 0.063\" W (3.20mm x 1.60mm)", Thickness (Max)="0.037\" (0.95mm)", Unit Price (USD)=0.21